# Allegro board MB1045.brd (continued)
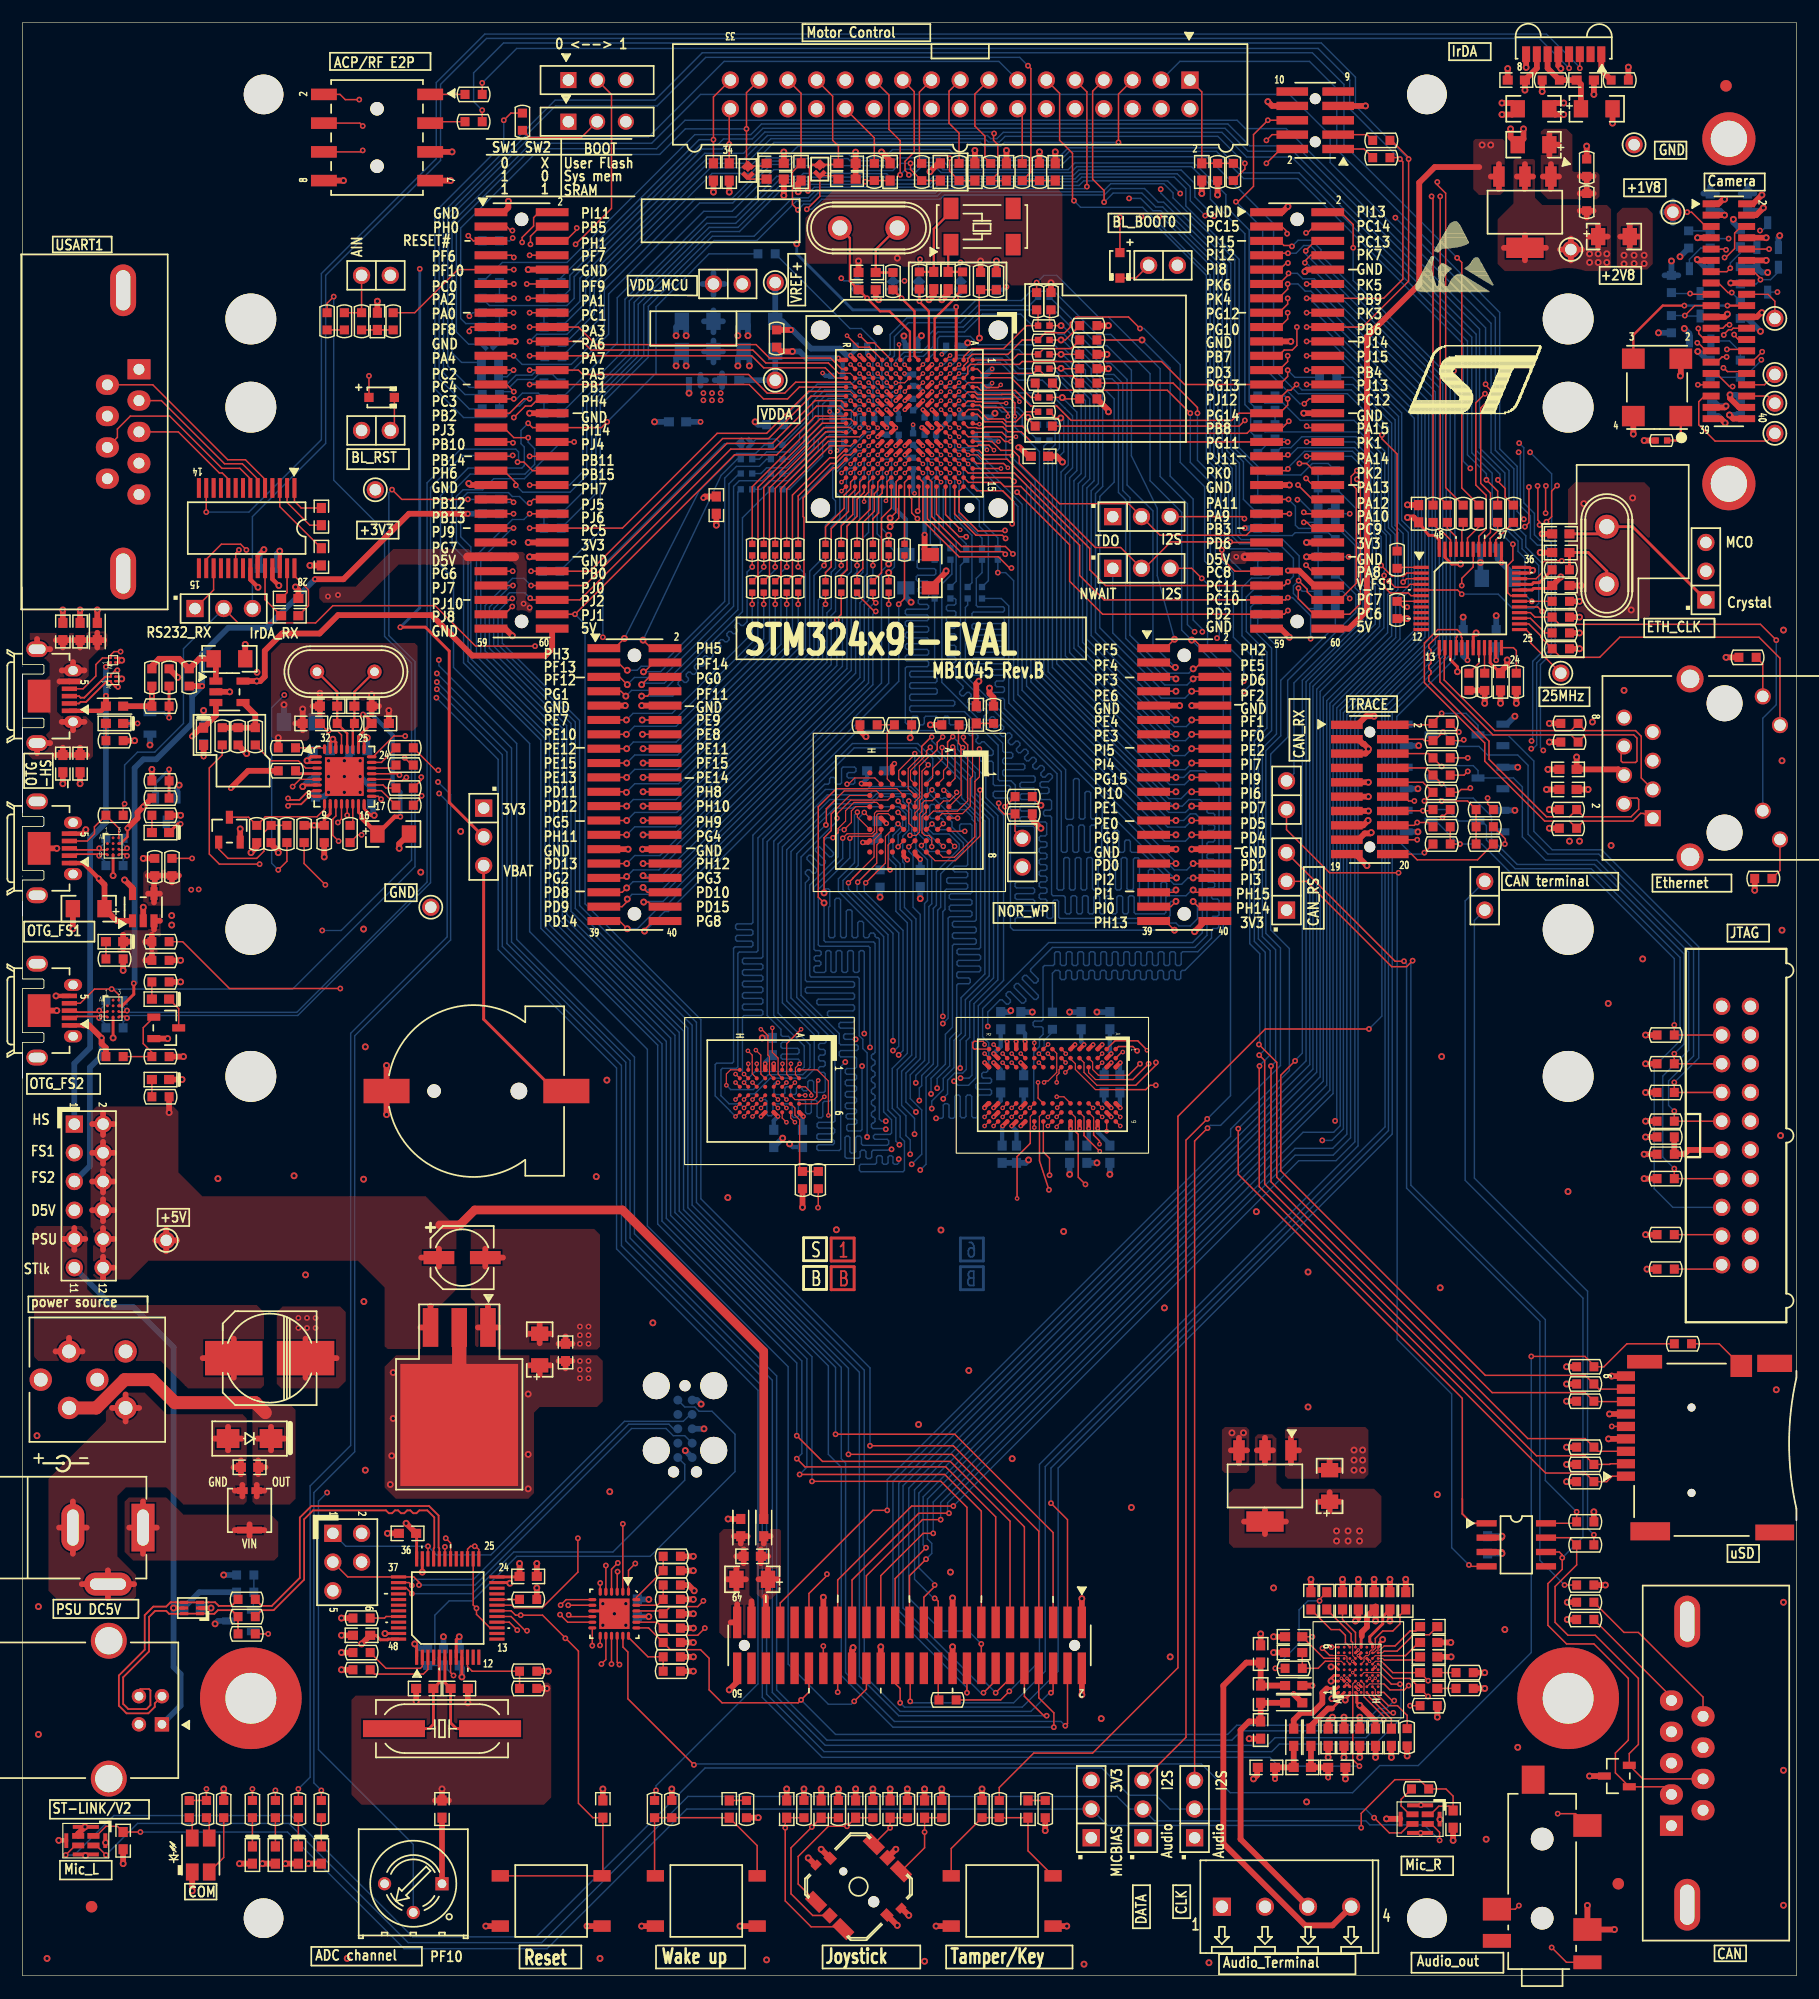
[diagram p0: board, top side]
## Routing (per net, layer and track width the routed paths; a pad name or vN(x,y) marks a point on that pad's centre or on a via; arc(x,y) is an arc through that point) (continued)
NETR231_1: length 9.3
  TOP w0.127: v2(82.01,142.49) U3.D2
  BOTTOM w0.127: v2(82.01,142.49) 82.24,142.49 82.78,143.03 83.72,143.03 84.12,143.43 86.82,143.43 88.14,142.11 R231.1
NETR233_2: length 23.1
  TOP w0.127: U5.3 122.37,123.54 v1(122.07,123.24)
  BOTTOM w0.127: R233.2 117.6,141.35 121.36,137.59 121.36,128.24 122.07,127.53 v1(122.07,123.24)
NETR236_2: length 28.2
  TOP w0.127: v1(120.83,123.32) 121.36,122.78 122.42,122.78 122.68,123.04 U5.4
  BOTTOM w0.127: v1(120.83,123.32) 120.95,123.44 120.95,127.38 120.45,127.89 120.45,134.82 117.73,137.54 112.98,137.54 111.46,139.06 109.86,139.06 R236.2
NETR237_2: length 9.2
  TOP w0.127: v2(82.01,140.89) U3.D4
  BOTTOM w0.127: R237.2 89.4,139.97 84.44,139.97 83.13,141.27 82.4,141.27 v2(82.01,140.89)
NETR241_2: length 10.2
  TOP w0.127: v2(81.21,140.89) U3.E4
  BOTTOM w0.127: v2(81.21,140.89) 81.63,140.46 83.06,140.46 83.93,139.59 88.51,139.59 R241.2
NETR243_1: length 27.6
  TOP w0.127: U5.6 122.76,122.04 122.53,122.28 120.93,122.28 120.38,122.82 120.38,123.5 120.39,123.51 v1(120.39,123.82)
  BOTTOM w0.127: v1(120.39,123.82) 120.4,123.83 120.4,124.21 120.57,124.38 120.57,127.4 120.14,127.83 120.14,134.62 118.24,136.53 109.86,136.53 R243.1
NETR245_2: length 11.8
  TOP w0.127: v2(75.61,140.09) U3.L5
  BOTTOM w0.127: v2(75.61,140.09) 75.61,140.34 75.23,140.72 75.23,141.02 74.96,141.3 73.86,141.3 73.3,140.74 70.26,140.74 67.31,137.79 R245.2
NETR247_2: length 10.2
  TOP w0.127: v2(82.01,139.29) U3.D6
  BOTTOM w0.127: v2(82.01,139.29) 82.38,138.91 83.08,138.91 83.17,138.82 86.06,138.82 86.6,138.29 87.91,138.29 88.39,137.81 88.39,137.16 R247.2
NETR248_2: length 17.4
  TOP w0.127: U3.J4 77.61,140.45 v2(77.24,140.08)
  BOTTOM w0.127: SB8.1 64.85,135.89 66.67,135.89 R248.2 69.47,137.67 69.47,139.32 70.64,140.49 74.96,140.49 75.18,140.26 75.18,139.95 75.44,139.7 76.56,139.7 76.94,140.08 v2(77.24,140.08)
NETR249_2: length 24.1
  TOP w0.127: v1(120.13,124.71) 121.09,123.75 122.1,123.75 122.39,124.04 U5.2
  BOTTOM w0.127: R249.2 111.25,135.13 112.14,135.13 113.11,136.09 117.91,136.09 119.81,134.19 119.81,127.57 120.13,127.25 v1(120.13,124.71)
NETR250_1: length 11.4
  TOP w0.127: v2(74.01,139.29) U3.N6
  BOTTOM w0.127: R250.1 67.79,134.11 69.09,135.41 69.09,136.17 70.36,137.44 70.36,138.81 70.36,139.12 71.09,139.85 73.2,139.85 73.77,139.29 v2(74.01,139.29)
NETR251_2: length 21
  TOP w0.127: v2(77.21,141.69) U3.J3
  BOTTOM w0.127: v2(77.21,141.69) 77.62,141.27 77.62,139.9 77.43,139.71 77.03,139.71 76.83,139.52 76.83,139.09 76.63,138.89 75.46,138.89 75.21,139.14 75.21,139.47 74.98,139.7 73.81,139.7 73.28,140.23 70.93,140.23 69.86,139.17 69.86,137.55 68.69,136.39 68.69,135.62 67.82,134.75 65.79,134.75 65.15,134.11 R251.2
NETR253_1: length 11.9
  TOP w0.127: v2(74.81,139.29) U3.M6
  BOTTOM w0.127: v2(74.81,139.29) 74.38,138.86 73.86,138.86 73.28,138.28 73.28,137.32 72.99,137.03 71.06,137.03 69.98,135.95 69.98,135.13 67.69,132.84 R253.1
NETR254_1: length 13.5
  TOP w0.127: v2(73.21,139.29) U3.P6
  BOTTOM w0.102: v2(73.21,139.29) 73.03,139.47 71.63,139.47
  BOTTOM w0.127: R254.1 65.28,132.84 65.79,133.35 67.56,133.35 69.47,135.25 69.47,136.02 70.74,137.29 70.74,138.96 71.25,139.47 71.63,139.47
NETR256_2: length 107.3
  TOP w0.127: 127.3,42.16 127.3,51.05 107.49,70.87 v1(107.49,74.9)
  TOP w0.155: 127.3,42.16 127.3,40.84 128.14,40.01 U14.1
  BOTTOM w0.127: v1(107.49,74.9) 113.49,80.9 113.49,114.43 118.85,119.79 118.85,122.63 118.41,123.06 118.41,126.95 117.88,127.48 117.88,129.77 R256.2
NETR257_1: length 12.3
  TOP w0.127: v2(74.81,138.49) U3.M7
  BOTTOM w0.127: v2(74.81,138.49) 74.44,138.11 73.95,138.11 73.79,137.95 73.79,137.19 72.87,136.27 71.37,136.27 70.74,135.64 70.74,134.37 67.82,131.44 R257.1
NETR258_1: length 14
  TOP w0.127: v2(74.01,138.49) U3.N7
  BOTTOM w0.127: R258.1 65.28,131.44 66.04,132.21 67.69,132.21 70.36,134.87 70.36,135.79 71.22,136.65 72.93,136.65 73.53,137.25 73.53,138.05 73.97,138.49 v2(74.01,138.49)
NETR259_2: length 9.8
  TOP w0.127: U7.9 26.7,103.15 26.04,102.49 21.46,102.49 R259.2 19.98,102.45 T7.3
NETR262_2: length 235.4
  TOP w0.127: U1.3 v1(137.7,168.68) ; U4.13 v1(16.24,129.43)
  L4_SIG w0.102: v1(100.63,157.99) 102.67,160.02 105.28,160.02 109.98,164.72 119.1,164.72 121.77,162.05 126.8,162.05 127.64,161.21 134.67,161.21 137.7,164.24 v1(137.7,168.68)
  BOTTOM w0.127: v1(137.7,168.68) 137.7,168.76 134.75,171.7 40.86,171.7 36.58,167.42 36.58,160.69 26.42,150.53 26.42,135.84 20.01,129.43 v1(16.24,129.43) ; v1(100.63,157.99) 100.63,157.66 106.83,151.46 106.83,135 107.95,133.88 107.95,130.56 R262.2
NETR269_1: length 7.8
  TOP w0.127: v2(74.81,133.69) U3.M12
  BOTTOM w0.127: R269.1 75.18,130.71 75.19,130.72 75.19,130.72 75.18,130.73 75.18,133.35 74.85,133.69 v2(74.81,133.69)
NETR270_1: length 8.9
  TOP w0.127: v2(74.81,134.49) U3.M11
  BOTTOM w0.127: R270.1 73.79,128.52 74.02,128.75 74.02,132.31 74.42,132.72 74.42,134.1 v2(74.81,134.49)
NETR271_1: length 9.2
  TOP w0.127: v2(74.01,134.49) U3.N11
  BOTTOM w0.127: v2(74.01,134.49) 73.64,134.12 73.64,133.6 73.36,133.32 73.12,133.32 72.84,133.04 72.84,128.85 72.39,128.4 R271.1
NETR272_2: length 10.8
  TOP w0.127: v2(74.01,135.29) U3.N10
  BOTTOM w0.127: v2(74.01,135.29) 73.82,135.29 71.63,133.1 71.63,130.68 71.88,130.43 71.88,129.16 70.99,128.27 R272.2
NETR273_1: length 14.1
  TOP w0.102: v2(75.61,136.89) 75.21,137.29 U3.M8
  BOTTOM w0.127: v2(75.61,136.89) 75.24,136.52 74.67,136.52 68.58,130.43 R273.1
NETR274_1: length 9.1
  TOP w0.127: v2(83.61,133.69) U3.B12
  BOTTOM w0.127: R274.1 86.23,127.15 84.98,128.41 84.98,130.92 84.05,131.85 84.05,133.24 v2(83.61,133.69)
NETR275_2: length 7.3
  TOP w0.127: v2(82.81,132.09) U3.C14
  BOTTOM w0.127: R275.2 84.84,127.13 82.81,129.15 v2(82.81,132.09)
NETR276_2: length 7
  TOP w0.127: v2(82.01,132.09) U3.D14
  BOTTOM w0.127: v2(82.01,132.09) 82.01,128.05 83.44,126.62 R276.2
NETR277_2: length 6.9
  TOP w0.127: v2(81.21,132.09) U3.E14
  BOTTOM w0.127: v2(81.21,132.09) 81.03,131.9 81.03,127.76 82.04,126.75 R277.2
NETR278_2: length 8.6
  TOP w0.127: v2(81.21,133.69) U3.E12
  BOTTOM w0.127: v2(81.21,133.69) 80.8,133.27 80.8,132.74 80.26,132.21 80.26,126.62 R278.2
NETR285_1: length 10.6
  TOP w0.127: v2(74.81,132.89) U3.M13
  BOTTOM w0.127: v2(74.81,132.89) 74.82,132.88 74.82,130.57 74.8,130.56 74.8,127.64 74.3,127.13 74.3,124.11 73.79,123.61 R285.1
NETR286_1: length 11.6
  TOP w0.127: v2(74.01,133.69) U3.N12
  BOTTOM w0.127: v2(74.01,133.69) 74.01,133.57 73.58,133.14 73.58,128.95 72.9,128.27 72.9,124.43 72.39,123.92 R286.1
NETR287_1: length 14.7
  TOP w0.127: v2(74.81,135.29) U3.M10
  BOTTOM w0.127: v2(74.81,135.29) 74.4,134.87 73.88,134.87 71.88,132.88 71.88,131.19 72.26,130.81 72.26,128.91 71.5,128.14 71.5,124.65 70.99,124.14 R287.1
NETR288_1: length 12.7
  TOP w0.127: v2(82.81,133.69) U3.C12
  BOTTOM w0.127: R288.1 85.39,123.37 85.39,127.38 84.6,128.18 84.6,130.42 83.19,131.83 83.19,133.31 v2(82.81,133.69)
NETR289_2: length 11.6
  TOP w0.127: v2(82.81,132.89) U3.C13
  BOTTOM w0.127: v2(82.81,132.89) 82.42,132.5 82.42,128.91 83.95,127.38 83.95,123.19 R289.2
NETR290_2: length 11.6
  TOP w0.127: v2(82.01,132.89) U3.D13
  BOTTOM w0.127: R290.2 82.55,123.32 82.55,126.87 81.41,128.02 81.41,131.44 81.64,131.67 81.64,132.51 v2(82.01,132.89)
NETR291_2: length 11.3
  TOP w0.127: v2(81.21,132.89) U3.E13
  BOTTOM w0.127: v2(81.21,132.89) 81.21,132.77 80.64,132.21 80.64,127.51 81.15,127 81.15,123.7 80.64,123.19 R291.2
NETR295_2: length 19.3
  TOP w0.102: U3.H3 77.99,140.87 v2(77.22,140.87)
  BOTTOM w0.127: v2(77.22,140.87) 77.22,140.77 76.94,140.49 76.29,140.49 76.04,140.73 76.04,141.03 75.75,141.32 75.46,141.32 75.18,141.59 75.18,142.75 75.44,143 75.44,144.41 75.07,144.78 75.06,144.78 74.17,145.67 73.15,145.67 R295.2
NETR299_1: length 3.7
  TOP w0.102: U8.F7 76.53,99.99 76.53,97.97 v5(76.71,97.79)
  BOTTOM w0.102: R299.1 v5(76.71,97.79)
NETR301_1: length 3.2
  TOP w0.102: v2(89.86,81.53) U10.J2
  BOTTOM w0.102: 90.41,82.79 90.32,82.7 90.32,81.99 v2(89.86,81.53)
  BOTTOM w0.127: 90.41,82.79 91.06,83.44 R301.1
NETR303_1: length 3.1
  BOTTOM w0.127: R303.1 R304.2 20.4,33.87 T6.2
NETSB7_1: length 135.5
  TOP w0.127: U5.40 129.27,127.11 129.79,127.64 129.79,131.11 128.93,131.98 128.93,138.63 129.79,139.5 129.79,140.23 129.36,140.67 v1(129.36,140.74)
  BOTTOM w0.127: v1(129.36,140.74) 129.36,145.72 111.73,163.35 108.13,163.35 107.39,164.08 58.57,164.08 56.06,161.57 44.98,161.57 38.35,154.94 38.35,145.36 39.44,144.28 SB7.1
NETSB8_2: length 108
  TOP w0.127: U5.42 128.27,124.58 127.25,123.57 v1(127.25,122.94)
  L4_SIG w0.102: v1(51.31,118.36) 51.82,118.87 56.69,118.87 58.65,116.92 98.96,116.92 101.42,119.38 108.66,119.38 111.05,116.99 116.92,116.99 122.86,122.94 v1(127.25,122.94)
  BOTTOM w0.127: v1(51.31,118.36) 51.31,124.71 62.07,135.48 SB8.2
NETTP8_1: length 5.7
  TOP w0.127: TP8.1 133.35,117.86 133.35,118.62 132.93,119.04 U5.25
NETU16_6: length 82.8
  TOP w0.089: U17.G3 v3(119.61,26.3)
  TOP w0.127: U16.6 v1(51.07,34.72)
  L4_SIG w0.102: v3(119.61,26.3) 119.22,25.91 119,25.91 117.09,27.81 117.09,28.45 114.81,30.73 107.19,30.73 97.51,21.06 77.37,21.06 68.2,30.23 58.93,30.23 57.53,31.62 57.53,33.15 56.57,34.11 51.68,34.11 v1(51.07,34.72)
OSC_IN: length 9.8
  TOP w0.254: U15.5 36.84,25.92 C76.2 36.32,22.23 35.94,21.84 X6.2
OSC_OUT: length 9.7
  TOP w0.254: X6.1 38.35,21.84 37.85,22.35 C77.2 37.34,25.9 U15.6
PA0: length 42.3
  TOP w0.127: CN6.15 v1(43.41,147.07) ; v2(74.01,141.69) U3.N3
  L4_SIG w0.102: v2(74.01,141.69) 71.58,141.69 68.33,138.43 59.31,138.43 54.74,143 53.98,143 50.55,146.43 44.04,146.43 v1(43.41,147.07)
  BOTTOM w0.127: v1(43.41,147.07) R219.1 R223.1 42.16,144.79 SB7.2
PA1: length 37.2
  TOP w0.127: U3.N2 v2(74.01,142.49) ; CN6.14 v1(44.7,148.34)
  L4_SIG w0.102: v1(44.7,148.34) 51.05,148.34 53.59,145.8 66.29,145.8 67.56,144.53 68.58,144.53 69.6,143.51 72.48,143.51 73.06,142.93 73.57,142.93 v2(74.01,142.49)
  BOTTOM w0.127: v1(44.7,148.34) R214.1 R210.1
PA2: length 37.5
  TOP w0.127: CN6.13 v1(43.43,148.34) ; U3.P2 v2(73.21,142.49)
  L4_SIG w0.102: v2(73.21,142.49) 67.69,142.49 66.16,144.02 54.61,144.02 50.93,147.7 44.07,147.7 v1(43.43,148.34)
  BOTTOM w0.127: v1(43.43,148.34) R215.1 R211.1
PA3: length 105
  TOP w0.127: U3.R2 72.42,142.09 71.45,143.05 66.05,143.05 64.85,144.25 50.7,144.25 49.15,145.8 CN6.18 v1(44.83,145.8) ; v1(33.83,109.63) 32.82,109.63 30.99,107.8 U7.24
  L4_SIG w0.102: v1(44.83,145.8) 44.2,145.8 43.69,146.3 40.51,146.3 40.39,146.18 40.39,145.97 40.51,145.85 42.81,145.85 42.93,145.73 42.93,145.56 42.81,145.44 40.51,145.44 40.39,145.32 40.39,145.15 40.51,145.03 42.93,145.03 43.05,144.91 43.05,144.75 42.93,144.63 39.87,144.63 39.75,144.51 39.75,144.34 39.87,144.22 43.06,144.22 43.18,144.1 43.18,143.93 43.06,143.81 39.12,143.81 38.99,143.69 38.99,143.48 39.12,143.36 42.81,143.36 42.93,143.24 42.93,143.07 42.81,142.95 38.1,142.95 37.8,142.65 37.8,112.98 36.35,111.53 36.2,111.53 35.9,111.83 35.76,111.83 35.61,111.69 35.61,111.54 35.91,111.24 35.91,111.1 35.77,110.95 35.63,110.95 35.33,111.26 35.18,111.26 35.04,111.11 35.04,110.97 35.34,110.67 35.34,110.52 34.44,109.63 v1(33.83,109.63)
PA4: length 182.3
  TOP w0.127: CN6.21 v1(43.41,143.26) ; CN5.31 149.77,141.69 150.93,140.54 v1(151.21,140.54) ; U3.N4 v2(74.01,140.89)
  L4_SIG w0.102: v1(151.21,140.54) 150.93,140.54 149.86,139.47 149.86,136.53 146.1,132.77 128.63,132.77 128.09,133.3 v1(128.02,133.3) ; v1(43.41,143.26) 44.04,143.89 51.56,143.89 53.34,142.11 54.23,142.11 59.44,136.91 67.82,136.91 71.8,140.89 v2(74.01,140.89)
  BOTTOM w0.127: v1(128.02,133.3) 127.38,133.93 127.38,144.3 112.75,158.93 107.98,158.93 105.57,161.33 92.55,161.33 91.74,160.53 82.93,160.53 81.97,161.49 76.92,161.49 76.18,160.76 73.36,160.76 73.03,161.09 68.33,161.09 67.72,160.48 66.04,160.48 62.74,157.18 59.51,157.18 51.44,149.1 51.44,145.41 48.51,142.49 44.17,142.49 v1(43.41,143.26)
PA5: length 103.4
  TOP w0.127: v1(44.83,141.99) CN6.24 49.15,141.99 49.53,141.6 64.19,141.6 65.84,139.95 67.39,139.95 68.35,140.92 73.18,140.92 73.61,140.49 U3.P4 ; R126.2 29.64,100.89 v1(29.97,100.89)
  L4_SIG w0.102: v1(29.97,100.89) 30.18,101.09 31.09,101.09 32.51,102.51 32.51,108.97 32.64,109.09 34.54,109.09 38.1,112.65 38.1,141.48 38.23,141.6 42.67,141.6 42.8,141.73 42.8,142.04 42.68,142.16 38.2,142.16 38.1,142.27 38.1,142.49 38.23,142.62 49.15,142.62 49.28,142.49 49.28,142.11 49.15,141.99 v1(44.83,141.99)
PA6: length 165.8
  TOP w0.102: U3.P3 73.19,141.71 72.16,141.71 71.63,142.24
  TOP w0.127: R16.2 108.08,159.77 v1(108.08,160.27) ; v1(44.83,144.53) CN6.20 49.5,144.53 50.27,143.76 64.57,143.76 65.72,142.62 71.25,142.62 71.63,142.24 ; CN5.33 v1(148.14,140.69)
  L4_SIG w0.102: v1(148.14,140.69) 149.31,141.87 149.31,155.52 146.13,158.7 126.42,158.7 125.65,159.46 120.8,159.46 119.35,160.91 108.71,160.91 v1(108.08,160.27)
  BOTTOM w0.127: v1(44.83,144.53) 45.47,145.16 48.13,145.16 50.16,147.19 50.16,149.86 60.58,160.27 63.98,160.27 66.17,162.46 85.09,162.46 85.39,162.15 86.36,162.15 86.87,162.66 105.69,162.66 v1(108.08,160.27)
PA7: length 31.4
  TOP w0.127: U3.R3 71.88,141.29 70.98,142.19 65.53,142.19 64.47,143.26 CN6.22 v1(44.83,143.26)
  BOTTOM w0.127: v1(44.83,143.26) 44.91,143.18 R227.1 R225.1
PA8: length 49.4
  TOP w0.127: CN7.52 114.02,124.21 v1(113.49,124.74) ; U3.F15 80.01,128.83 82.91,125.93 86.66,125.93 v1(86.89,125.7)
  L4_SIG w0.102: v1(86.89,125.7) 87.3,125.3 88.01,125.3 88.9,126.19 103.4,126.19 106.88,129.67 110.49,129.67 113.03,127.13 113.03,125.2 v1(113.49,124.74)
  BOTTOM w0.127: R268.1 R279.1 R283.1 114.27,123.95 v1(113.49,124.74)
PA9: length 41.4
  TOP w0.127: v1(83.44,127.25) 82.81,127.25 80.81,129.25 U3.E15 ; CN7.43 v1(112.01,129.29)
  L4_SIG w0.102: v1(112.01,129.29) 111,130.3 106.32,130.3 102.9,126.87 88.06,126.87 87.58,126.39 85.93,126.39 85.07,127.25 v1(83.44,127.25)
  BOTTOM w0.127: R266.1 R262.1 v1(112.01,129.29)
PA10: length 172.4
  TOP w0.127: R117.2 8.89,103.5 v1(9.02,103.63) ; CN7.44 113.41,129.29 v1(113.28,129.41) ; U3.D15 81.61,129.21 82.91,127.91 v2(82.91,127.86) ; v1(45.31,117.58) 40.06,117.58 36.47,121.16 27.43,121.16 25.91,119.63 19.05,119.63 JP7.2
  L4_SIG w0.102: v1(45.31,117.58) 47.22,117.58 50.29,120.65 57.91,120.65 59.82,118.75 96.14,118.75 98.3,120.9 108.66,120.9 110.19,122.43 112.14,122.43 112.45,122.12 112.88,122.12 114.55,123.8 114.55,128.14 v1(113.28,129.41) 112.65,130.05 111.71,130.05 111.1,130.66 106.2,130.66 102.72,127.18 87.93,127.18 87.43,126.67 86.39,126.67 85.19,127.86 v2(82.91,127.86)
  BOTTOM w0.127: JP7.2 14.22,117.35 14.22,110.74 11.68,108.2 10.16,108.2 9.02,107.06 v1(9.02,103.63)
PA11: length 203.8
  TOP w0.127: v1(111.94,130.56) CN7.41 ; U3.C15 82.41,129.27 84.3,127.38 86.64,127.38 v1(86.92,127.1)
  TOP w0.155: D5.D3 8.56,99.18 9.09,99.18 v1(9.23,99.04)
  L4_SIG w0.102: v1(9.23,99.04) 9.48,99.29 10.26,99.29 10.92,99.95 23.11,99.95 25.35,97.71 33.25,97.71 38.94,103.4 38.94,105.36 46.74,113.16 46.74,115.44 50.9,119.61 57.56,119.61 59.31,117.86 97.79,117.86 99.95,120.02 109.98,120.02 111.12,121.16 112.98,121.16 115.29,123.47 115.29,129.18 113.41,131.06 112.52,131.06 112.01,130.56 v1(111.94,130.56) 111.53,130.96 105.87,130.96 102.49,127.58 87.4,127.58 v1(86.92,127.1)
  BOTTOM w0.127: v1(9.23,99.04) 8.89,98.7 R298.2 ; v1(111.94,130.56) 112.55,129.95 112.55,128.27 112.83,127.99 116.33,127.99 117.83,126.49 117.83,122.73 118.21,122.35 118.21,120.12 112.42,114.33 112.42,106.32 JP16.1
  BOTTOM w0.155: R255.1 v1(111.94,130.56)
PA12: length 43.5
  TOP w0.127: v1(86.87,127.81) 86.82,127.76 84.48,127.76 82.8,129.44 82.8,131.28 U3.B15 ; CN7.42 114.05,130.56 v1(112.78,131.83)
  L4_SIG w0.102: v1(112.78,131.83) 112.27,131.32 105.54,131.32 102.11,127.89 86.94,127.89 v1(86.87,127.81)
  BOTTOM w0.127: R252.1 R256.1 R261.1 v1(112.78,131.83)
PA13: length 216
  TOP w0.127: U15.27 39.34,37.72 39.6,37.97 v1(39.98,37.97) 40.06,37.97 40.34,37.69 U15.25 ; R90.2 v1(127,109.98) ; v1(133.2,131.65) 133.2,128.5 v1(132.84,128.14) ; v1(113.49,132.41) 114.07,131.83 CN7.40 ; U3.A15 84.38,131.32 86.66,131.32 87.63,130.35 87.63,128.52 v1(87.5,128.4)
  L4_SIG w0.102: v1(133.2,131.65) 131.85,131.65 131.17,130.96 114.94,130.96 v1(113.49,132.41) 113.13,132.77 111.46,132.77 111.12,133.1 98.45,133.1 93.75,128.4 v1(87.5,128.4) ; v1(132.84,128.14) 132.77,128.14 132.23,127.6 132.23,115.47 131.57,114.81 129.57,114.81 127,112.24 v1(127,109.98) 126.67,109.65 126.67,101.9 124.82,100.05 124.82,98.58 114.4,88.16 114.4,79.25 78.59,43.43 75.84,43.43 71.91,39.5 51.28,39.5 47.4,35.61 42.34,35.61 v1(39.98,37.97)
PA14: length 223.1
  TOP w0.127: U15.26 39.84,32.78 v1(40.13,32.49) 40.13,31.95 41.32,30.76 U15.15 ; R99.2 127.36,109.22 v1(127.43,109.3) ; v1(87.66,132.14) 87.32,132.49 U3.A14 ; v1(134.14,128.3) 134.14,128.57 133.99,128.73 133.99,131.72 v1(133.96,131.75) ; CN7.36 v1(113.54,134.37)
  L4_SIG w0.102: v1(134.14,128.3) 134.11,128.3 132.66,126.85 132.66,115.4 131.69,114.43 129.79,114.43 127.43,112.06 v1(127.43,109.3) 126.9,108.76 126.9,101.63 125.22,99.95 125.22,98.42 114.81,88.01 114.81,79.04 78.89,43.13 76.3,43.13 72.29,39.12 51.92,39.12 49.17,36.37 49.17,31.9 48.72,31.45 43.54,31.45 43.41,31.57 41.05,31.57 v1(40.13,32.49) ; v1(87.66,132.14) 94.75,132.14 97.74,135.13 112.78,135.13 v1(113.54,134.37) 116.54,131.37 130.86,131.37 131.6,132.11 133.6,132.11 v1(133.96,131.75)
PA15: length 218
  TOP w0.127: R106.2 127.46,106.17 v1(127.79,106.5) ; v1(113.54,137.03) 113.67,136.91 CN7.32 ; U3.A13 v2(86.51,133.29) ; v1(44.6,30.51) 44.45,30.51 43.19,31.76 U15.17 ; v1(134.7,131.75) 134.67,131.72 v1(134.67,129.34)
  L4_SIG w0.102: v1(134.67,129.34) 135.33,128.68 135.33,122.3 133.71,120.68 133.71,112.42 v1(127.79,106.5) 127.51,106.22 127.51,101.35 125.98,99.82 125.98,98.07 115.82,87.91 115.82,78.87 78.92,41.96 76.5,41.96 72.85,38.3 52.68,38.3 49.94,35.56 49.94,31.27 49.5,30.84 44.93,30.84 v1(44.6,30.51) ; v1(134.7,131.75) 133.96,132.49 131.37,132.49 130.66,131.78 117.14,131.78 114.3,134.62 114.3,136.27 v1(113.54,137.03) 110.57,137.03 109.88,136.35 97.43,136.35 94.06,132.97 86.83,132.97 v2(86.51,133.29)
PAR_D0: length 120.6
  TOP w0.127: v1(79.12,128.85) 78.61,129.36 78.61,130.61 78.41,130.81 U3.H15 ; v1(117.98,132.33) 118.29,132.03 118.29,121.34 117.35,120.4 CN7.58 114.17,120.4 112.8,121.77 112.8,122.69 v1(112.81,122.71) ; JP4.3 107.86,129.03 v1(108.04,128.85) ; CN5.23 150.34,145.69 150.65,146 v1(150.93,146)
  L4_SIG w0.102: v1(150.93,146) 150.9,145.97 150.9,144.93 151.64,144.2 151.64,141.6 149.48,139.45 149.48,136.62 145.88,133.02 131.15,133.02 130.34,133.83 119.48,133.83 v1(117.98,132.33) ; v1(112.81,122.71) 112.81,122.72 112.39,123.14 112.39,126.87 110.41,128.85 v1(108.04,128.85) 108.03,128.84 107.53,128.84 107.31,128.63 107.31,126.62 105.79,125.09 104.6,125.09 102.87,123.37 87.78,123.37 86,125.15 83.11,125.15 79.4,128.85 v1(79.12,128.85)
  BOTTOM w0.127: v1(112.81,122.71) 112.88,122.71 113.16,122.43 R292.2
PAR_D1: length 168.7
  TOP w0.127: CN1.7 94.61,166.65 94.61,158.88 95.63,157.86 v1(95.63,156.84) ; v1(112.83,123.37) 113.59,122.61 113.59,122.38 114.3,121.67 CN7.56 116.46,121.67 117.93,123.14 117.93,131.5 117.47,131.95 117.47,132.59 v1(117.98,133.1) ; v1(79.15,129.51) 79.27,129.64 79.27,131.62 U3.G15 ; CN5.24 151.25,145.69 151.11,145.55 150.84,145.55 150.51,145.23 150.51,145.19 v1(150.42,145.1)
  L4_SIG w0.102: v1(112.83,123.37) 112.65,123.55 112.65,127.13 110.44,129.34 107.24,129.34 103.76,125.86 89.15,125.86 88.27,124.97 86.87,124.97 86.39,125.45 83.34,125.45 79.27,129.51 v1(79.15,129.51) ; v1(117.98,133.1) 117.98,133.6 118.62,134.24 130.53,134.24 131.44,133.32 145.72,133.32 149.22,136.83 149.22,139.57 151.38,141.73 151.38,143.94 150.5,144.83 150.5,145.03 v1(150.42,145.1)
  BOTTOM w0.127: R45.1 113.7,120.9 112.37,122.23 112.37,122.91 v1(112.83,123.37) 112.83,123.42 112.88,123.47 112.88,125.55 111.43,127 107.75,127 107.29,127.46 107.29,133.5 106.07,134.72 106.07,151.16 100.81,156.41 100.2,156.41 98.97,157.65 96.43,157.65 v1(95.63,156.84)
PAR_D2: length 139.6
  TOP w0.127: v1(148.18,145.67) 148.21,145.64 148.21,145.21 148.73,144.69 CN5.25 ; v1(87.44,124.49) 87.27,124.49 86.28,125.48 82.8,125.48 79.61,128.67 79.61,132.09 U3.G14 ; v1(106.05,126.09) 106.05,125.35 107.19,124.21 CN7.51
  L4_SIG w0.102: v1(87.44,124.49) 88.27,124.49 89.26,125.48 105.44,125.48 v1(106.05,126.09) ; v1(148.18,145.67) 148.62,146.12 148.62,155.22 145.91,157.94 124.79,157.94 124.49,158.24 109.7,158.24 107.57,156.11 99.47,156.11 v1(98.93,155.57)
  BOTTOM w0.127: v1(98.93,155.57) 99.47,155.57 104.67,150.37 104.67,134.11 105.94,132.84 105.94,126.19 v1(106.05,126.09) 106.05,125.98 107.82,124.21 R281.2 R280.2
PAR_D3: length 93.8
  TOP w0.127: v1(151.34,145.13) 151.34,145.08 151.73,144.69 CN5.26 ; v1(87.57,125.73) 86.91,126.39 83.03,126.39 80.39,129.03 80.39,132.11 U3.F14 ; CN7.46 114.07,128.02 113.56,128.52 v1(113.28,128.52)
  L4_SIG w0.102: v1(117.35,129.29) 117.5,129.44 131.37,129.44 132.74,130.81 135.48,130.81 137.16,132.49 146.41,132.49 151.87,137.95 151.87,144.6 v1(151.34,145.13) ; v1(87.57,125.73) 87.63,125.73 88.47,126.57 103.15,126.57 106.55,129.97 110.59,129.97 112.04,128.52 v1(113.28,128.52)
  BOTTOM w0.127: v1(117.35,129.29) 115.57,129.29 115.32,129.03 114.94,129.03 R265.2 114.43,128.52 v1(113.28,128.52)
PAR_D4: length 226.2
  TOP w0.127: CN2.2 111.25,161.54 v1(109.98,160.27) ; U3.B13 83.61,132.89 87.69,132.89 94.36,126.21 94.36,124.33 95.76,122.94 CN7.53 111.56,122.94 v1(111.89,123.27) ; CN3.2 28.07,166.37 28.52,165.91 v1(29.77,165.91) ; v1(148.08,144.4) 148.16,144.4 148.86,143.69 CN5.27
  L4_SIG w0.102: v1(148.08,144.4) 148.99,145.31 148.99,155.4 146.08,158.32 126.29,158.32 125.48,159.13 120.5,159.13 119.35,160.27 v1(109.98,160.27) 108.97,160.27 107.82,159.13 103.23,159.13 101.27,157.18 v1(97.84,157.18) 94.74,160.27 83.57,160.27 82.55,161.29 78.99,161.29 78.49,160.78 44.83,160.78 43.43,162.18 30.71,162.18 29.31,163.58 29.31,165.46 v1(29.77,165.91)
  BOTTOM w0.127: v1(97.84,157.18) 98.86,157.18 99.95,156.08 100.63,156.08 105.69,151.03 105.69,134.57 106.96,133.3 106.96,127.28 107.62,126.62 111.1,126.62 112.37,125.35 112.37,123.75 v1(111.89,123.27) 111.56,122.94 R284.2
PAR_D5: length 91.3
  TOP w0.127: CN5.28 152.32,143.82 v1(150.7,143.82) ; v2(82.81,134.49) U3.C11 ; v1(111.86,143.26) 111.86,142.75 111.1,141.99 CN7.23
  L4_SIG w0.102: v2(82.81,134.49) 83.35,135.03 84.68,135.03 86.44,136.78 92.84,136.78 96.52,140.46 107.95,140.46 110.74,143.26 v1(111.86,143.26) 112.78,143.26 113.27,142.77 128.2,142.77 130.12,140.84 130.12,135.64 131.9,133.86 145.54,133.86 148.72,137.03 148.72,139.83 150.9,142.01 150.9,142.42 150.67,142.65 150.37,142.65 150.16,142.85 150.16,143.36 150.63,143.82 v1(150.7,143.82)
PAR_D6: length 80.7
  TOP w0.127: U3.A7 84.42,138.09 85.09,137.41 86.61,137.41 87,137.03 88.39,137.03 89.03,136.4 108.26,136.4 108.77,136.91 CN7.31 111.4,136.91 v1(111.96,137.46) ; v1(150.67,143.15) 150.27,143.15 149.8,142.69 CN5.29
  L4_SIG w0.102: v1(150.67,143.15) 151.13,142.7 151.13,141.86 148.97,139.7 148.97,136.9 145.68,133.6 131.67,133.6 127.71,137.57 112.06,137.57 v1(111.96,137.46)
  BOTTOM w0.127: v1(111.96,137.46) 111.66,137.16 R243.2 R240.2
PAR_D7: length 58.3
  TOP w0.127: v1(129.54,104.14) 129.54,103.63 R114.1 ; v1(153.82,143.61) 152.9,142.69 CN5.30
  L4_SIG w0.102: v1(153.82,143.61) 154.23,143.21 154.23,142.72 153.54,142.04 153.54,135.18 154.56,134.16 154.56,123.19 149.76,118.39 143.97,118.39 137.34,111.76 135.2,111.76 129.54,106.1 v1(129.54,104.14)
PAR_D8: length 245.6
  TOP w0.127: v1(109.98,162.31) 110.49,162.81 CN2.4 ; U3.B14 83.64,132.06 86.45,132.06 86.81,131.7 88.27,131.7 93.47,126.49 93.47,123.83 95.63,121.67 CN7.55 111.68,121.67 v1(111.89,121.87) ; CN5.9 150.56,152.69 v1(150.62,152.63) ; v1(30.07,163.58) 29.82,163.83 CN3.4
  L4_SIG w0.102: v1(113.89,118.24) 116.23,120.57 116.23,126.16 118.06,127.99 122.81,127.99 123.44,128.63 131.37,128.63 132.99,130.25 135.79,130.25 137.41,131.88 146.71,131.88 152.38,137.54 152.38,147.11 151.1,148.39 150.87,148.39 150.52,148.74 150.52,151.21 150.93,151.61 150.93,152.32 v1(150.62,152.63) 149.59,153.66 149.59,155.7 146.22,159.08 126.65,159.08 125.92,159.82 121.08,159.82 117.6,163.3 110.97,163.3 v1(109.98,162.31) 109.35,162.31 106.55,159.51 103,159.51 100.97,157.48 98.37,157.48 95.2,160.66 83.69,160.66 82.55,161.8 64.9,161.8 64.52,161.42 44.83,161.42 43.56,162.69 30.96,162.69 v1(30.07,163.58)
  BOTTOM w0.127: R293.2 111.68,121.67 v1(111.89,121.87) 112.29,121.87 113.89,120.27 v1(113.89,118.24)
PAR_D9: length 318.9
  TOP w0.127: U3.A12 84.37,133.73 86.74,133.73 v2(87.12,133.35) ; CN2.6 v1(110.11,164.08) 108.84,162.81 108.84,158.24 107.48,156.88 v1(107.29,156.88) ; v1(30.07,161.42) 29.95,161.29 CN3.6 ; v1(113.33,139.01) 113.77,139.45 CN7.28 ; CN17.5 v1(140.52,48.57) ; v1(154.43,152.69) CN5.10
  L4_SIG w0.102: v2(87.12,133.35) 88.7,133.35 89.81,134.47 94.44,134.47 96.82,136.86 109.09,136.86 111.05,138.81 113.13,138.81 v1(113.33,139.01) ; v1(30.07,161.42) 33.02,161.42 34.29,160.15 74.93,160.15 75.31,159.77 78.87,159.77 79.38,160.27 80.9,160.27 81.53,159.64 94.11,159.64 97.08,156.67 107.07,156.67 v1(107.29,156.88) ; v1(110.11,164.08) 118.62,164.08 121.34,161.37 126.24,161.37 127.13,160.48 148.24,160.48 154.7,154.02 154.7,152.96 v1(154.43,152.69) 154.43,152.19 156.24,150.39 156.24,135.28 155.3,134.34 155.3,122.56 150.22,117.47 144.15,117.47 139.95,113.28 139.95,102.87 142.24,100.58 142.24,50.29 v1(140.52,48.57)